# KiCad board board_deltaRenumBack.kicad_pcb (continued)
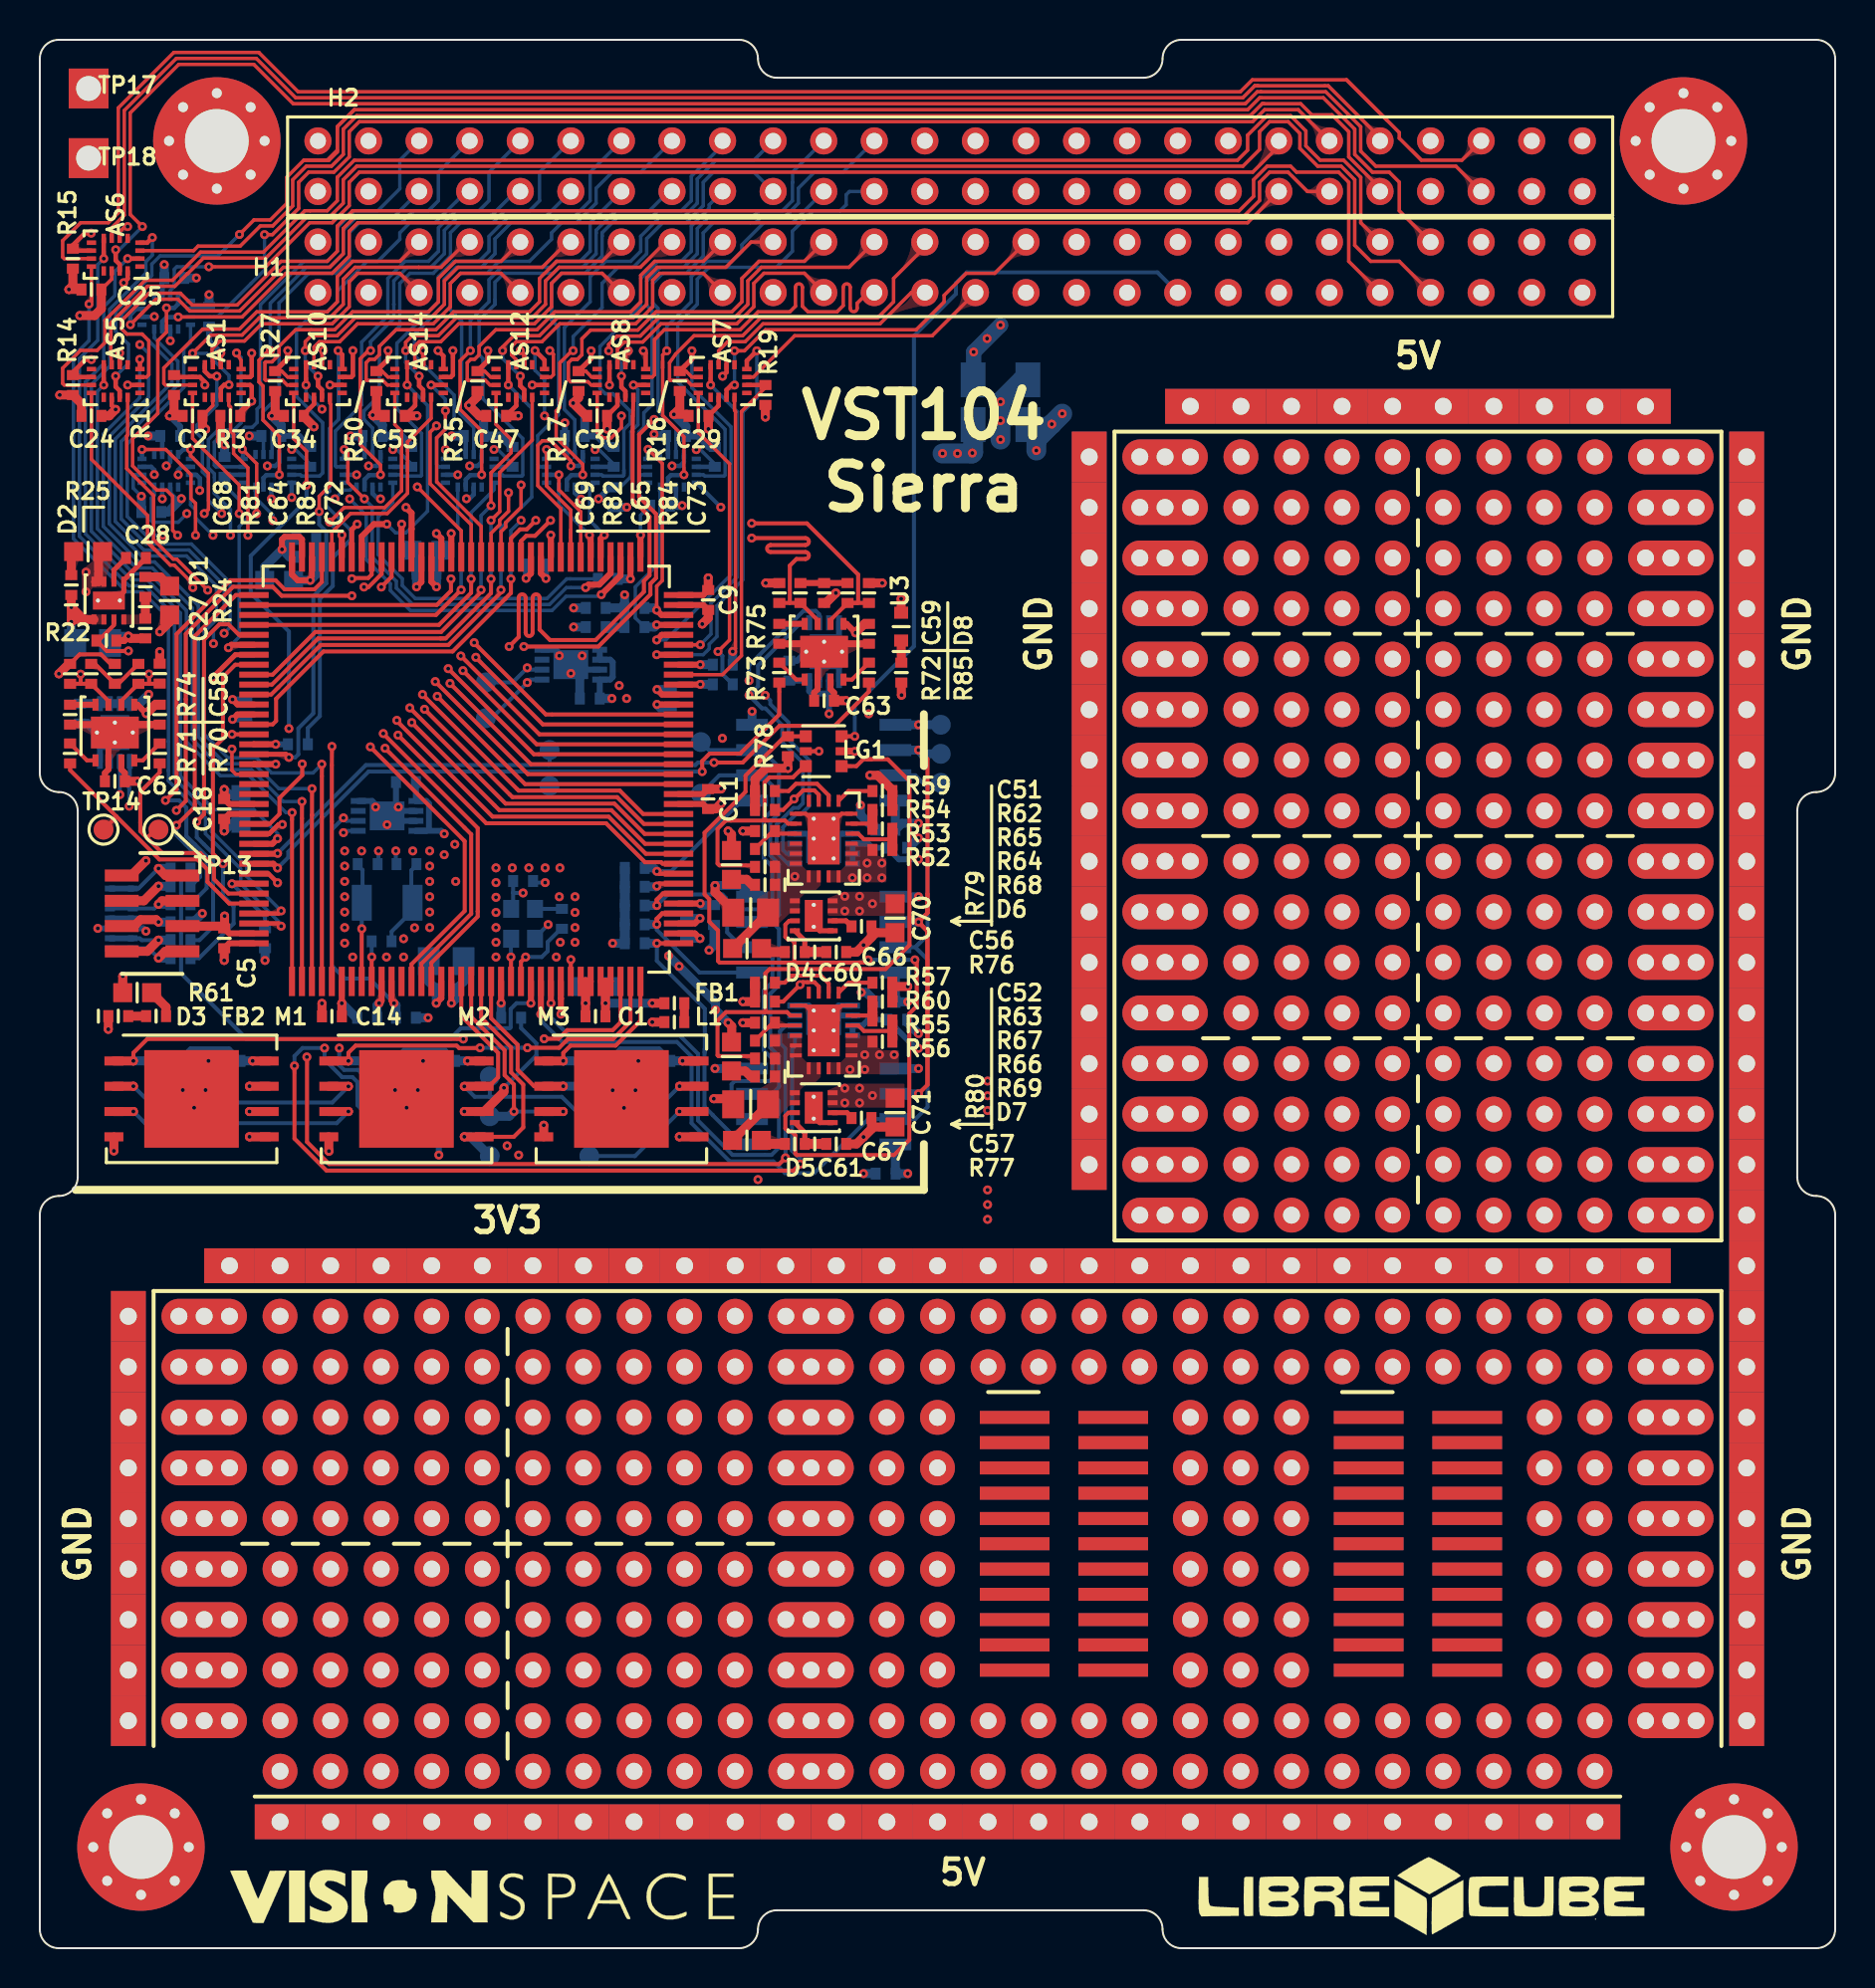
[diagram p0: board, top side]
## Placement (name value [footprint] x y rotation side) (continued)
R42  4k7  [R_SMD_0402]  29.87 66.38 0 bottom
R43  22  [R_SMD_0402]  7.07 54.25 0 bottom
R44  22  [R_SMD_0402]  7.07 53.35 0 bottom
R45  22  [R_SMD_0402]  7.07 52.45 0 bottom
R46  22  [R_SMD_0402]  7.07 51.55 0 bottom
R47  22  [R_SMD_0402]  7.07 50.65 0 bottom
R48  22  [R_SMD_0402]  7.07 49.74 0 bottom
R49  280k  [R_SMD_0402]  17.17 50.59 180 bottom
R50  100k  [R_SMD_0402]  16.9 78.74 270 top
R51  100k  [R_SMD_0402]  23.74 74.93 90 bottom
R52  280k  [R_SMD_0402]  42.32 55.18 0 top
R53  22k6  [R_SMD_0402]  42.32 56.24 180 top
R54  115k  [R_SMD_0402]  42.32 57.19 0 top
R55  280k  [R_SMD_0402]  42.32 45.55 0 top
R56  8k66  [R_SMD_0402]  42.32 46.61 180 top
R57  63k4  [R_SMD_0402]  42.32 47.56 0 top
R58  1k  [R_SMD_0402]  26.22 51.72 90 bottom
R59  75k  [R_SMD_0402]  42.32 58.14 180 top
R60  75k  [R_SMD_0402]  42.32 48.51 180 top
R61  100 0.25W  [R_SMD_0603]  4.89 48.01 180 top
R62  33k2  [R_SMD_0402]  36.42 57.19 0 top
R63  33k2  [R_SMD_0402]  36.42 47.56 0 top
R64  110k  [R_SMD_0402]  36.42 55.23 180 top
R65  60k4  [R_SMD_0402]  36.42 56.13 180 top
R66  110k  [R_SMD_0402]  36.42 45.6 180 top
R67  31k6  [R_SMD_0402]  36.42 46.5 180 top
R68  10k  [R_SMD_0402]  36.42 54.33 180 top
R69  10k  [R_SMD_0402]  36.42 44.7 180 top
R70  22  [R_SMD_0402]  6.02 60.03 270 top
R71  22  [R_SMD_0402]  1.52 60.03 270 top
R72  22  [R_SMD_0402]  41.64 64.09 270 top
R73  22  [R_SMD_0402]  37.14 64.09 270 top
R74  10k  [R_SMD_0402]  1.52 61.98 270 top
R75  10k  [R_SMD_0402]  37.14 66.04 270 top
R76  33 330mW  [R_SMD_0603]  35.52 50.23 180 top
R77  75 330mW  [R_SMD_0603]  35.52 40.59 180 top
R78  100k  [R_SMD_0402]  37.57 60.39 270 top
R79  33 330mW  [R_SMD_0603]  34.74 54.43 270 top
R80  75 330mW  [R_SMD_0603]  34.74 44.8 270 top
R81  60.4  [R_SMD_0402]  2.58 64.03 90 top
R82  60.4  [R_SMD_0402]  38.2 68.09 90 top
R83  60.4  [R_SMD_0402]  4.95 64.03 90 top
R84  60.4  [R_SMD_0402]  40.57 68.09 90 top
R85  330  [R_SMD_0402]  43.27 64.09 90 top
R86  0  [R_SMD_1206]  48.25 78.8 180 bottom
R87  0  [R_SMD_1206]  48.25 76.55 180 bottom
TP1  test_point  [scope_PAD]  22.4 63.6 0 bottom
TP2  test_point  [scope_PAD]  22.4 61.8 0 bottom
TP3  test_point  [scope_PAD]  27.6 39.8 0 bottom
TP4  test_point  [scope_PAD]  22.6 39.8 0 bottom
TP5  test_point  [scope_PAD]  27.6 43 0 bottom
TP6  test_point  [scope_PAD]  22.6 41.8 0 bottom
TP7  test_point  [scope_PAD]  22.6 43.8 0 bottom
TP8  test_point  [scope_PAD]  45.25 60.01 0 bottom
TP9  test_point  [scope_PAD]  45.25 61.47 0 bottom
TP10  test_point  [scope_PAD]  33.2 58 0 bottom
TP11  test_point  [scope_PAD]  33.2 60.6 0 bottom
TP12  test_point  [scope_PAD]  45.25 58.55 0 bottom
TP13  test_point  [scope_PAD]  5.96 56.2 0 top
TP14  test_point  [scope_PAD]  3.2 56.2 0 top
TP15  test_point  [scope_PAD]  25.6 60.2 0 bottom
TP16  test_point  [scope_PAD]  25.6 58.4 0 bottom
TP17  GND  [scope_GND]  2.45 93.44 0 top
TP18  GND  [scope_GND]  2.45 89.94 0 top
TS1  MCP9804  [DFN-8_3.0x2.0mm_EP]  18.42 42.67 0 bottom
TS2  MCP9804  [DFN-8_3.0x2.0mm_EP]  17.44 56.89 0 bottom
TS3  MCP9804  [DFN-8_3.0x2.0mm_EP]  39.37 46.61 0 bottom
TS4  MCP9804  [DFN-8_3.0x2.0mm_EP]  26.67 64.49 0 bottom
TS5  MCP9804  [DFN-8_3.0x2.0mm_EP]  39.39 65.14 270 bottom
TS6  MCP9804  [DFN-8_3.0x2.0mm_EP]  39.37 55.24 0 bottom
TS7  MCP9804  [DFN-8_3.0x2.0mm_EP]  3.77 61.08 90 bottom
U1  STM32L496ZGTx  [LQFP-144_20x20mm_P0.5mm]  21.42 59.24 90 top
U2  TCAN1051-Q1  [VSON-8_3.0x3.0mm_EPV]  3.77 61.08 90 top
U3  TCAN1051-Q1  [VSON-8_3.0x3.0mm_EPV]  39.39 65.14 90 top
UA1  Conn_01x03  [PC104_universal_OBC&FPGA]  4.45 34.29 0 top
uwA*****  -  [uwArc0.20_0.17_180]  38.9 70.5 0 top
uwA*****#2  -  [uwArc0.20_0.17_180]  38.9 69.8 0 top
uwA*****#3  -  [uwArc0.20_0.17_180]  36.25 70.5 180 top
uwA*****#4  -  [uwArc0.17_0.17_180]  40.35 83.75 90 top
uwA*****#5  uwArc0.17_0.17_180  [uwArc0.17_0.17_180#2]  41.05 82.4 270 top
uwA*****#6  uwArc0.17_0.17_180  [uwArc0.17_0.17_180#2]  37.95 83.45 90 top
uwA*****#7  uwArc0.20_0.17_180  [uwArc0.20_0.17_180#2]  24.4 66.1 270 top
uwA*****#8  -  [uwArc0.20_0.17_180]  24.4 68.3 90 top
uwA*****#9  -  [uwArc0.20_0.17_180]  25.1 68.3 90 top
Y1  ABS07AIG  [LSE_3.2x1.5mm]  17.45 52.53 0 bottom
Y2  SiT8924  [HSE_2.0x1.6mm]  24.27 51.47 270 bottom

## Footprints (pads in the part's own frame, mm; a bottom-side part is the same pattern mirrored in y, then rotated)
C_SMD_0402
  rect 0.5x0.6 smd: 1(-0.5,0) 2(0.5,0)
C_SMD_0603
  rect 0.95x0.95 smd: 1(-0.725,0) 2(0.725,0)
C_SMD_0805
  rect 1.1x1.4 smd: 1(-0.875,0) 2(0.875,0)
CLP-104-02-x-D
  rect 0.6x1.7 smd: 1(-1.905,-1.525) 2(-1.905,1.525) 3(-0.635,-1.525) 4(-0.635,1.525) 5(0.635,-1.525) 6(0.635,1.525) 7(1.905,-1.525) 8(1.905,1.525)
D_SMD_0402
  rect 0.5x0.6 smd: 1(-0.5,0) 2(0.5,0)
D_SMD_SOD523_1.2x0.8mm
  rect 0.6x0.7 smd: 1(-0.7,0) 2(0.7,0)
DFN-8_3.0x2.0mm_EP
  rect 0.75x0.3 smd: 1(-1.45,0.75) 2(-1.45,0.25) 3(-1.45,-0.25) 4(-1.45,-0.75) 5(1.45,-0.75) 6(1.45,-0.25) 7(1.45,0.25) 8(1.45,0.75)
  rect 1.75x1.45 smd: 9(0,0)
ESQ-129-39-x-D
  round 1.365 hole 0.8: 1(0,0) 2(0,2.54) 3(2.54,0) 4(2.54,2.54) 5(5.08,0) 6(5.08,2.54) 7(7.62,0) 8(7.62,2.54) 9(10.16,0) 10(10.16,2.54) 11(12.7,0) 12(12.7,2.54) 13(15.24,0) 14(15.24,2.54) 15(17.78,0) 16(17.78,2.54) 17(20.32,0) 18(20.32,2.54) 19(22.86,0) 20(22.86,2.54) 21(25.4,0) 22(25.4,2.54) 23(27.94,0) 24(27.94,2.54) 25(30.48,0) 26(30.48,2.54) 27(33.02,0) 28(33.02,2.54) 29(35.56,0) 30(35.56,2.54) 31(38.1,0) 32(38.1,2.54) 33(40.64,0) 34(40.64,2.54) 35(43.18,0) 36(43.18,2.54) 37(45.72,0) 38(45.72,2.54) 39(48.26,0) 40(48.26,2.54) 41(50.8,0) 42(50.8,2.54) 43(53.34,0) 44(53.34,2.54) 45(55.88,0) 46(55.88,2.54) 47(58.42,0) 48(58.42,2.54) 49(60.96,0) 50(60.96,2.54) 51(63.5,0) 52(63.5,2.54)
HSE_2.0x1.6mm
  rect 0.9x0.8 smd: 1(-0.75,-0.6) 2(0.75,-0.6) 3(0.75,0.6) 4(-0.75,0.6)
L_SMD_0402
  rect 0.5x0.6 smd: 1(-0.5,0) 2(0.5,0)
LQFP-144_20x20mm_P0.5mm
  rect 1.475x0.3 smd: 1(-10.662,8.75) 2(-10.662,8.25) 3(-10.662,7.75) 4(-10.662,7.25) 5(-10.662,6.75) 6(-10.662,6.25) 7(-10.662,5.75) 8(-10.662,5.25) 9(-10.662,4.75) 10(-10.662,4.25) 11(-10.662,3.75) 12(-10.662,3.25) 13(-10.662,2.75) 14(-10.662,2.25) 15(-10.662,1.75) 16(-10.662,1.25) 17(-10.662,0.75) 18(-10.662,0.25) 19(-10.662,-0.25) 20(-10.662,-0.75) 21(-10.662,-1.25) 22(-10.662,-1.75) 23(-10.662,-2.25) 24(-10.662,-2.75) 25(-10.662,-3.25) 26(-10.662,-3.75) 27(-10.662,-4.25) 28(-10.662,-4.75) 29(-10.662,-5.25) 30(-10.662,-5.75) 31(-10.662,-6.25) 32(-10.662,-6.75) 33(-10.662,-7.25) 34(-10.662,-7.75) 35(-10.662,-8.25) 36(-10.662,-8.75) 73(10.662,-8.75) 74(10.662,-8.25) 75(10.662,-7.75) 76(10.662,-7.25) 77(10.662,-6.75) 78(10.662,-6.25) 79(10.662,-5.75) 80(10.662,-5.25) 81(10.662,-4.75) 82(10.662,-4.25) 83(10.662,-3.75) 84(10.662,-3.25) 85(10.662,-2.75) 86(10.662,-2.25) 87(10.662,-1.75) 88(10.662,-1.25) 89(10.662,-0.75) 90(10.662,-0.25) 91(10.662,0.25) 92(10.662,0.75) 93(10.662,1.25) 94(10.662,1.75) 95(10.662,2.25) 96(10.662,2.75) 97(10.662,3.25) 98(10.662,3.75) 99(10.662,4.25) 100(10.662,4.75) 101(10.662,5.25) 102(10.662,5.75) 103(10.662,6.25) 104(10.662,6.75) 105(10.662,7.25) 106(10.662,7.75) 107(10.662,8.25) 108(10.662,8.75)
  rect 0.3x1.475 smd: 37(-8.75,-10.662) 38(-8.25,-10.662) 39(-7.75,-10.662) 40(-7.25,-10.662) 41(-6.75,-10.662) 42(-6.25,-10.662) 43(-5.75,-10.662) 44(-5.25,-10.662) 45(-4.75,-10.662) 46(-4.25,-10.662) 47(-3.75,-10.662) 48(-3.25,-10.662) 49(-2.75,-10.662) 50(-2.25,-10.662) 51(-1.75,-10.662) 52(-1.25,-10.662) 53(-0.75,-10.662) 54(-0.25,-10.662) 55(0.25,-10.662) 56(0.75,-10.662) 57(1.25,-10.662) 58(1.75,-10.662) 59(2.25,-10.662) 60(2.75,-10.662) 61(3.25,-10.662) 62(3.75,-10.662) 63(4.25,-10.662) 64(4.75,-10.662) 65(5.25,-10.662) 66(5.75,-10.662) 67(6.25,-10.662) 68(6.75,-10.662) 69(7.25,-10.662) 70(7.75,-10.662) 71(8.25,-10.662) 72(8.75,-10.662) 109(8.75,10.662) 110(8.25,10.662) 111(7.75,10.662) 112(7.25,10.662) 113(6.75,10.662) 114(6.25,10.662) 115(5.75,10.662) 116(5.25,10.662) 117(4.75,10.662) 118(4.25,10.662) 119(3.75,10.662) 120(3.25,10.662) 121(2.75,10.662) 122(2.25,10.662) 123(1.75,10.662) 124(1.25,10.662) 125(0.75,10.662) 126(0.25,10.662) 127(-0.25,10.662) 128(-0.75,10.662) 129(-1.25,10.662) 130(-1.75,10.662) 131(-2.25,10.662) 132(-2.75,10.662) 133(-3.25,10.662) 134(-3.75,10.662) 135(-4.25,10.662) 136(-4.75,10.662) 137(-5.25,10.662) 138(-5.75,10.662) 139(-6.25,10.662) 140(-6.75,10.662) 141(-7.25,10.662) 142(-7.75,10.662) 143(-8.25,10.662) 144(-8.75,10.662)
LSE_3.2x1.5mm
  rect 1x1.8 smd: 1(-1.275,0) 2(1.275,0)
mini_QFN-16-1.8x2.6mm
  rect 0.463x0.225 smd: 1(-0.819,0.6) 2(-0.819,0.2) 3(-0.819,-0.2) 4(-0.819,-0.6) 9(0.819,-0.6) 10(0.819,-0.2) 11(0.819,0.2) 12(0.819,0.6)
  rect 0.225x0.463 smd: 5(-0.6,-1.218) 6(-0.2,-1.218) 7(0.2,-1.218) 8(0.6,-1.218) 13(0.6,1.218) 14(0.2,1.218) 15(-0.2,1.218) 16(-0.6,1.218)
MountingHole_3.2mm_M3_Pad_Via
  round 0.8 hole 0.5: 1(-2.4,0) 1(-1.697,1.697) 1(-1.697,-1.697) 1(0,2.4) 1(0,-2.4) 1(1.697,1.697) 1(1.697,-1.697) 1(2.4,0)
  round 6.4 hole 3.2: 1(0,0)
PC104_universal_OBC&FPGA
  rect 1.75x2.54 hole 0.85: 1(0,-2.54) 1(0,-5.08) 1(0,-7.62) 1(0,-10.16) 1(0,-12.7) 1(0,-15.24) 1(0,-17.78) 1(0,-20.32) 1(0,-22.86) 1(48.26,40.64) 1(48.26,38.1) 1(48.26,35.56) 1(48.26,33.02) 1(48.26,30.48) 1(48.26,27.94) 1(48.26,25.4) 1(48.26,22.86) 1(48.26,20.32) 1(48.26,17.78) 1(48.26,15.24) 1(48.26,12.7) 1(48.26,10.16) 1(48.26,7.62) 1(48.26,5.08) 1(81.28,40.64) 1(81.28,38.1) 1(81.28,35.56) 1(81.28,33.02) 1(81.28,30.48) 1(81.28,27.94) 1(81.28,25.4) 1(81.28,22.86) 1(81.28,20.32) 1(81.28,17.78) 1(81.28,15.24) 1(81.28,12.7) 1(81.28,10.16) 1(81.28,7.62) 1(81.28,5.08) 1(81.28,2.54) 1(81.28,0) 1(81.28,-2.54) 1(81.28,-5.08) 1(81.28,-7.62) 1(81.28,-10.16) 1(81.28,-12.7) 1(81.28,-15.24) 1(81.28,-17.78) 1(81.28,-20.32) 1(81.28,-22.86)
  rect 2.54x1.75 hole 0.85: 2(5.08,0) 2(7.62,0) 2(10.16,0) 2(12.7,0) 2(15.24,0) 2(17.78,0) 2(20.32,0) 2(22.86,0) 2(25.4,0) 2(27.94,0) 2(30.48,0) 2(33.02,0) 2(35.56,0) 2(38.1,0) 2(40.64,0) 2(43.18,0) 2(45.72,0) 2(48.26,0) 2(50.8,0) 2(53.34,0) 2(55.88,0) 2(58.42,0) 2(60.96,0) 2(63.5,0) 2(66.04,0) 2(68.58,0) 2(71.12,0) 2(73.66,0) 2(76.2,0) 3(7.62,-27.94) 3(10.16,-27.94) 3(12.7,-27.94) 3(15.24,-27.94) 3(17.78,-27.94) 3(20.32,-27.94) 3(22.86,-27.94) 3(25.4,-27.94) 3(27.94,-27.94) 3(30.48,-27.94) 3(33.02,-27.94) 3(35.56,-27.94) 3(38.1,-27.94) 3(40.64,-27.94) 3(43.18,-27.94) 3(45.72,-27.94) 3(48.26,-27.94) 3(50.8,-27.94) 3(53.34,43.18) 3(53.34,-27.94) 3(55.88,43.18) 3(55.88,-27.94) 3(58.42,43.18) 3(58.42,-27.94) 3(60.96,43.18) 3(60.96,-27.94) 3(63.5,43.18) 3(63.5,-27.94) 3(66.04,43.18) 3(66.04,-27.94) 3(68.58,43.18) 3(68.58,-27.94) 3(71.12,43.18) 3(71.12,-27.94) 3(73.66,43.18) 3(73.66,-27.94) 3(76.2,43.18)
  round 1.5 hole 0.85: NC(2.54,-2.54) NC(2.54,-5.08) NC(2.54,-7.62) NC(2.54,-10.16) NC(2.54,-12.7) NC(2.54,-15.24) NC(2.54,-17.78) NC(2.54,-20.32) NC(2.54,-22.86) NC(5.08,-2.54) NC(5.08,-5.08) NC(5.08,-7.62) NC(5.08,-10.16) NC(5.08,-12.7) NC(5.08,-15.24) NC(5.08,-17.78) NC(5.08,-20.32) NC(5.08,-22.86) NC(33.02,-2.54) NC(33.02,-5.08) NC(33.02,-7.62) NC(33.02,-10.16) NC(33.02,-12.7) NC(33.02,-15.24) NC(33.02,-17.78) NC(33.02,-20.32) NC(33.02,-22.86) NC(33.02,-25.4) NC(35.56,-2.54) NC(35.56,-5.08) NC(35.56,-7.62) NC(35.56,-10.16) NC(35.56,-12.7) NC(35.56,-15.24) NC(35.56,-17.78) NC(35.56,-20.32) NC(35.56,-22.86) NC(35.56,-25.4) NC(50.8,40.64) NC(50.8,38.1) NC(50.8,35.56) NC(50.8,33.02) NC(50.8,30.48) NC(50.8,27.94) NC(50.8,25.4) NC(50.8,22.86) NC(50.8,20.32) NC(50.8,17.78) NC(50.8,15.24) NC(50.8,12.7) NC(50.8,10.16) NC(50.8,7.62) NC(50.8,5.08) NC(50.8,2.54) NC(53.34,40.64) NC(53.34,38.1) NC(53.34,35.56) NC(53.34,33.02) NC(53.34,30.48) NC(53.34,27.94) NC(53.34,25.4) NC(53.34,22.86) NC(53.34,20.32) NC(53.34,17.78) NC(53.34,15.24) NC(53.34,12.7) NC(53.34,10.16) NC(53.34,7.62) NC(53.34,5.08) NC(53.34,2.54) NC(76.2,40.64) NC(76.2,38.1) NC(76.2,35.56) NC(76.2,33.02) NC(76.2,30.48) NC(76.2,27.94) NC(76.2,25.4) NC(76.2,22.86) NC(76.2,20.32) NC(76.2,17.78) NC(76.2,15.24) NC(76.2,12.7) NC(76.2,10.16) NC(76.2,7.62) NC(76.2,5.08) NC(76.2,2.54) NC(76.2,-2.54) NC(76.2,-5.08) NC(76.2,-7.62) NC(76.2,-10.16) NC(76.2,-12.7) NC(76.2,-15.24) NC(76.2,-17.78) NC(76.2,-20.32) NC(76.2,-22.86) NC(78.74,40.64) NC(78.74,38.1) NC(78.74,35.56) NC(78.74,33.02) NC(78.74,30.48) NC(78.74,27.94) NC(78.74,25.4) NC(78.74,22.86) NC(78.74,20.32) NC(78.74,17.78) NC(78.74,15.24) NC(78.74,12.7) NC(78.74,10.16) NC(78.74,7.62) NC(78.74,5.08) NC(78.74,2.54) NC(78.74,-2.54) NC(78.74,-5.08) NC(78.74,-7.62) NC(78.74,-10.16) NC(78.74,-12.7) NC(78.74,-15.24) NC(78.74,-17.78) NC(78.74,-20.32) NC(78.74,-22.86)
  oval 4.29x1.75 hole 0.85: NC(3.81,-2.54) NC(3.81,-5.08) NC(3.81,-7.62) NC(3.81,-10.16) NC(3.81,-12.7) NC(3.81,-15.24) NC(3.81,-17.78) NC(3.81,-20.32) NC(3.81,-22.86) NC(34.29,-2.54) NC(34.29,-5.08) NC(34.29,-7.62) NC(34.29,-10.16) NC(34.29,-12.7) NC(34.29,-15.24) NC(34.29,-17.78) NC(34.29,-20.32) NC(34.29,-22.86) NC(34.29,-25.4) NC(52.07,40.64) NC(52.07,38.1) NC(52.07,35.56) NC(52.07,33.02) NC(52.07,30.48) NC(52.07,27.94) NC(52.07,25.4) NC(52.07,22.86) NC(52.07,20.32) NC(52.07,17.78) NC(52.07,15.24) NC(52.07,12.7) NC(52.07,10.16) NC(52.07,7.62) NC(52.07,5.08) NC(52.07,2.54) NC(77.47,40.64) NC(77.47,38.1) NC(77.47,35.56) NC(77.47,33.02) NC(77.47,30.48) NC(77.47,27.94) NC(77.47,25.4) NC(77.47,22.86) NC(77.47,20.32) NC(77.47,17.78) NC(77.47,15.24) NC(77.47,12.7) NC(77.47,10.16) NC(77.47,7.62) NC(77.47,5.08) NC(77.47,2.54) NC(77.47,-2.54) NC(77.47,-5.08) NC(77.47,-7.62) NC(77.47,-10.16) NC(77.47,-12.7) NC(77.47,-15.24) NC(77.47,-17.78) NC(77.47,-20.32) NC(77.47,-22.86)
  round 1.75 hole 0.85: NC(7.62,-2.54) NC(7.62,-5.08) NC(7.62,-7.62) NC(7.62,-10.16) NC(7.62,-12.7) NC(7.62,-15.24) NC(7.62,-17.78) NC(7.62,-20.32) NC(7.62,-22.86) NC(7.62,-25.4) NC(10.16,-2.54) NC(10.16,-5.08) NC(10.16,-7.62) NC(10.16,-10.16) NC(10.16,-12.7) NC(10.16,-15.24) NC(10.16,-17.78) NC(10.16,-20.32) NC(10.16,-22.86) NC(10.16,-25.4) NC(12.7,-2.54) NC(12.7,-5.08) NC(12.7,-7.62) NC(12.7,-10.16) NC(12.7,-12.7) NC(12.7,-15.24) NC(12.7,-17.78) NC(12.7,-20.32) NC(12.7,-22.86) NC(12.7,-25.4) NC(15.24,-2.54) NC(15.24,-5.08) NC(15.24,-7.62) NC(15.24,-10.16) NC(15.24,-12.7) NC(15.24,-15.24) NC(15.24,-17.78) NC(15.24,-20.32) NC(15.24,-22.86) NC(15.24,-25.4) NC(17.78,-2.54) NC(17.78,-5.08) NC(17.78,-7.62) NC(17.78,-10.16) NC(17.78,-12.7) NC(17.78,-15.24) NC(17.78,-17.78) NC(17.78,-20.32) NC(17.78,-22.86) NC(17.78,-25.4) NC(20.32,-2.54) NC(20.32,-5.08) NC(20.32,-7.62) NC(20.32,-10.16) NC(20.32,-12.7) NC(20.32,-15.24) NC(20.32,-17.78) NC(20.32,-20.32) NC(20.32,-22.86) NC(20.32,-25.4) NC(22.86,-2.54) NC(22.86,-5.08) NC(22.86,-7.62) NC(22.86,-10.16) NC(22.86,-12.7) NC(22.86,-15.24) NC(22.86,-17.78) NC(22.86,-20.32) NC(22.86,-22.86) NC(22.86,-25.4) NC(25.4,-2.54) NC(25.4,-5.08) NC(25.4,-7.62) NC(25.4,-10.16) NC(25.4,-12.7) NC(25.4,-15.24) NC(25.4,-17.78) NC(25.4,-20.32) NC(25.4,-22.86) NC(25.4,-25.4) NC(27.94,-2.54) NC(27.94,-5.08) NC(27.94,-7.62) NC(27.94,-10.16) NC(27.94,-12.7) NC(27.94,-15.24) NC(27.94,-17.78) NC(27.94,-20.32) NC(27.94,-22.86) NC(27.94,-25.4) NC(30.48,-2.54) NC(30.48,-5.08) NC(30.48,-7.62) NC(30.48,-10.16) NC(30.48,-12.7) NC(30.48,-15.24) NC(30.48,-17.78) NC(30.48,-20.32) NC(30.48,-22.86) NC(30.48,-25.4) NC(38.1,-2.54) NC(38.1,-5.08) NC(38.1,-7.62) NC(38.1,-10.16) NC(38.1,-12.7) NC(38.1,-15.24) NC(38.1,-17.78) NC(38.1,-20.32) NC(38.1,-22.86) NC(38.1,-25.4) NC(40.64,-2.54) NC(40.64,-5.08) NC(40.64,-7.62) NC(40.64,-10.16) NC(40.64,-12.7) NC(40.64,-15.24) NC(40.64,-17.78) NC(40.64,-20.32) NC(40.64,-22.86) NC(40.64,-25.4) NC(43.18,-2.54) NC(43.18,-5.08) NC(43.18,-22.86) NC(43.18,-25.4) NC(45.72,-2.54) NC(45.72,-5.08) NC(45.72,-22.86) NC(45.72,-25.4) NC(48.26,-2.54) NC(48.26,-5.08) NC(48.26,-22.86) NC(48.26,-25.4) NC(50.8,-2.54) NC(50.8,-5.08) NC(50.8,-22.86) NC(50.8,-25.4) NC(53.34,-2.54) NC(53.34,-5.08) NC(53.34,-7.62) NC(53.34,-10.16) NC(53.34,-12.7) NC(53.34,-15.24) NC(53.34,-17.78) NC(53.34,-20.32) NC(53.34,-22.86) NC(53.34,-25.4) NC(55.88,40.64) NC(55.88,38.1) NC(55.88,35.56) NC(55.88,33.02) NC(55.88,30.48) NC(55.88,27.94) NC(55.88,25.4) NC(55.88,22.86) NC(55.88,20.32) NC(55.88,17.78) NC(55.88,15.24) NC(55.88,12.7) NC(55.88,10.16) NC(55.88,7.62) NC(55.88,5.08) NC(55.88,2.54) NC(55.88,-2.54) NC(55.88,-5.08) NC(55.88,-7.62) NC(55.88,-10.16) NC(55.88,-12.7) NC(55.88,-15.24) NC(55.88,-17.78) NC(55.88,-20.32) NC(55.88,-22.86) NC(55.88,-25.4) NC(58.42,40.64) NC(58.42,38.1) NC(58.42,35.56) NC(58.42,33.02) NC(58.42,30.48) NC(58.42,27.94) NC(58.42,25.4) NC(58.42,22.86) NC(58.42,20.32) NC(58.42,17.78) NC(58.42,15.24) NC(58.42,12.7) NC(58.42,10.16) NC(58.42,7.62) NC(58.42,5.08) NC(58.42,2.54) NC(58.42,-2.54) NC(58.42,-5.08) NC(58.42,-7.62) NC(58.42,-10.16) NC(58.42,-12.7) NC(58.42,-15.24) NC(58.42,-17.78) NC(58.42,-20.32) NC(58.42,-22.86) NC(58.42,-25.4) NC(60.96,40.64) NC(60.96,38.1) NC(60.96,35.56) NC(60.96,33.02) NC(60.96,30.48) NC(60.96,27.94) NC(60.96,25.4) NC(60.96,22.86) NC(60.96,20.32) NC(60.96,17.78) NC(60.96,15.24) NC(60.96,12.7) NC(60.96,10.16) NC(60.96,7.62) NC(60.96,5.08) NC(60.96,2.54) NC(60.96,-2.54) NC(60.96,-5.08) NC(60.96,-22.86) NC(60.96,-25.4) NC(63.5,40.64) NC(63.5,38.1) NC(63.5,35.56) NC(63.5,33.02) NC(63.5,30.48) NC(63.5,27.94) NC(63.5,25.4) NC(63.5,22.86) NC(63.5,20.32) NC(63.5,17.78) NC(63.5,15.24) NC(63.5,12.7) NC(63.5,10.16) NC(63.5,7.62) NC(63.5,5.08) NC(63.5,2.54) NC(63.5,-2.54) NC(63.5,-5.08) NC(63.5,-22.86) NC(63.5,-25.4) NC(66.04,40.64) NC(66.04,38.1) NC(66.04,35.56) NC(66.04,33.02) NC(66.04,30.48) NC(66.04,27.94) NC(66.04,25.4) NC(66.04,22.86) NC(66.04,20.32) NC(66.04,17.78) NC(66.04,15.24) NC(66.04,12.7) NC(66.04,10.16) NC(66.04,7.62) NC(66.04,5.08) NC(66.04,2.54) NC(66.04,-2.54) NC(66.04,-5.08) NC(66.04,-22.86) NC(66.04,-25.4) NC(68.58,40.64) NC(68.58,38.1) NC(68.58,35.56) NC(68.58,33.02) NC(68.58,30.48) NC(68.58,27.94) NC(68.58,25.4) NC(68.58,22.86) NC(68.58,20.32) NC(68.58,17.78) NC(68.58,15.24) NC(68.58,12.7) NC(68.58,10.16) NC(68.58,7.62) NC(68.58,5.08) NC(68.58,2.54) NC(68.58,-2.54) NC(68.58,-5.08) NC(68.58,-22.86) NC(68.58,-25.4) NC(71.12,40.64) NC(71.12,38.1) NC(71.12,35.56) NC(71.12,33.02) NC(71.12,30.48) NC(71.12,27.94) NC(71.12,25.4) NC(71.12,22.86) NC(71.12,20.32) NC(71.12,17.78) NC(71.12,15.24) NC(71.12,12.7) NC(71.12,10.16) NC(71.12,7.62) NC(71.12,5.08) NC(71.12,2.54) NC(71.12,-2.54) NC(71.12,-5.08) NC(71.12,-7.62) NC(71.12,-10.16) NC(71.12,-12.7) NC(71.12,-15.24) NC(71.12,-17.78) NC(71.12,-20.32) NC(71.12,-22.86) NC(71.12,-25.4) NC(73.66,40.64) NC(73.66,38.1) NC(73.66,35.56) NC(73.66,33.02) NC(73.66,30.48) NC(73.66,27.94) NC(73.66,25.4) NC(73.66,22.86) NC(73.66,20.32) NC(73.66,17.78) NC(73.66,15.24) NC(73.66,12.7) NC(73.66,10.16) NC(73.66,7.62) NC(73.66,5.08) NC(73.66,2.54) NC(73.66,-2.54) NC(73.66,-5.08) NC(73.66,-7.62) NC(73.66,-10.16) NC(73.66,-12.7) NC(73.66,-15.24) NC(73.66,-17.78) NC(73.66,-20.32) NC(73.66,-22.86) NC(73.66,-25.4)
  rect 3.5x0.65 smd: NC(44.515,-7.62) NC(44.515,-8.89) NC(44.515,-10.16) NC(44.515,-11.43) NC(44.515,-12.7) NC(44.515,-13.97) NC(44.515,-15.24) NC(44.515,-16.51) NC(44.515,-17.78) NC(44.515,-19.05) NC(44.515,-20.32) NC(49.465,-7.62) NC(49.465,-8.89) NC(49.465,-10.16) NC(49.465,-11.43) NC(49.465,-12.7) NC(49.465,-13.97) NC(49.465,-15.24) NC(49.465,-16.51) NC(49.465,-17.78) NC(49.465,-19.05) NC(49.465,-20.32) NC(62.295,-7.62) NC(62.295,-8.89) NC(62.295,-10.16) NC(62.295,-11.43) NC(62.295,-12.7) NC(62.295,-13.97) NC(62.295,-15.24) NC(62.295,-16.51) NC(62.295,-17.78) NC(62.295,-19.05) NC(62.295,-20.32) NC(67.245,-7.62) NC(67.245,-8.89) NC(67.245,-10.16) NC(67.245,-11.43) NC(67.245,-12.7) NC(67.245,-13.97) NC(67.245,-15.24) NC(67.245,-16.51) NC(67.245,-17.78) NC(67.245,-19.05) NC(67.245,-20.32)
  rect 3.5x0.65 smd far side: NC(44.515,-7.62) NC(44.515,-8.89) NC(44.515,-10.16) NC(44.515,-11.43) NC(44.515,-12.7) NC(44.515,-13.97) NC(44.515,-15.24) NC(44.515,-16.51) NC(44.515,-17.78) NC(44.515,-19.05) NC(44.515,-20.32) NC(49.465,-7.62) NC(49.465,-8.89) NC(49.465,-10.16) NC(49.465,-11.43) NC(49.465,-12.7) NC(49.465,-13.97) NC(49.465,-15.24) NC(49.465,-16.51) NC(49.465,-17.78) NC(49.465,-19.05) NC(49.465,-20.32) NC(62.295,-7.62) NC(62.295,-8.89) NC(62.295,-10.16) NC(62.295,-11.43) NC(62.295,-12.7) NC(62.295,-13.97) NC(62.295,-15.24) NC(62.295,-16.51) NC(62.295,-17.78) NC(62.295,-19.05) NC(62.295,-20.32) NC(67.245,-7.62) NC(67.245,-8.89) NC(67.245,-10.16) NC(67.245,-11.43) NC(67.245,-12.7) NC(67.245,-13.97) NC(67.245,-15.24) NC(67.245,-16.51) NC(67.245,-17.78) NC(67.245,-19.05) NC(67.245,-20.32)
R_SMD_0402
  rect 0.5x0.6 smd: 1(-0.5,0) 2(0.5,0)
R_SMD_0603
  rect 0.95x0.95 smd: 1(-0.725,0) 2(0.725,0)
R_SMD_1206
  rect 1.25x1.75 smd: 1(-1.375,0) 2(1.375,0)
scope_GND
  rect 2x2 hole 1.25: 1(0,0)
scope_PAD
  round 1 smd: 1(0,0)
SOIC-8_208_5.23x5.23mm
  rect 1.6x0.6 smd: 1(-3.6,1.905) 2(-3.6,0.635) 3(-3.6,-0.635) 4(-3.6,-1.905) 5(3.6,-1.905) 6(3.6,-0.635) 7(3.6,0.635) 8(3.6,1.905)
SOT-363_TSSOP-6_2.0x1.25mm
  rect 0.6x0.6 smd: 1(-0.9,0.75) 3(-0.9,-0.75) 4(0.9,-0.75) 6(0.9,0.75)
  rect 0.6x0.4 smd: 2(-0.9,0) 5(0.9,0)
uwArc0.17_0.17_180
  custom 0.348x0.523 smd: 1(-0.3,0)
  round 0.173 smd: 1(-0.3,-0.35)
uwArc0.17_0.17_180#2
  custom 0.348x0.523 smd: 1(0,0)
  round 0.173 smd: 1(0,-0.35)
uwArc0.20_0.17_180
  custom 0.375x0.55 smd: 1(-0.45,0.35)
  round 0.2 smd: 1(-0.45,0)
uwArc0.20_0.17_180#2
  custom 0.375x0.55 smd: 1(0,0.35)
  round 0.2 smd: 1(0,0)
VSON-8_3.0x3.0mm_EPV
  rect 1.47x1.07 smd: (0,0.635) (0,-0.635)
  rect 0.6x0.3 smd: 1(-1.4,0.975) 2(-1.4,0.325) 3(-1.4,-0.325) 4(-1.4,-0.975) 5(1.4,-0.975) 6(1.4,-0.325) 7(1.4,0.325) 8(1.4,0.975)
  round 0.45 hole 0.2: 9(-0.5,0) 9(0,0.9) 9(0,-0.9) 9(0.5,0)
  rect 1.6x2.4 smd: 9(0,0)
WQFN-20_4.0x3.0mm_EPV
  rect 1.47x1.15 smd: (0,0.675) (0,-0.675)
  rect 0.6x0.2 smd: 1(-1.4,1.25) 2(-1.4,0.75) 3(-1.4,0.25) 4(-1.4,-0.25) 5(-1.4,-0.75) 6(-1.4,-1.25) 11(1.4,-1.25) 12(1.4,-0.75) 13(1.4,-0.25) 14(1.4,0.25) 15(1.4,0.75) 16(1.4,1.25)